# Altium PCB ROKET_SİGMA.PcbDoc (part 1 of 2) (continued)
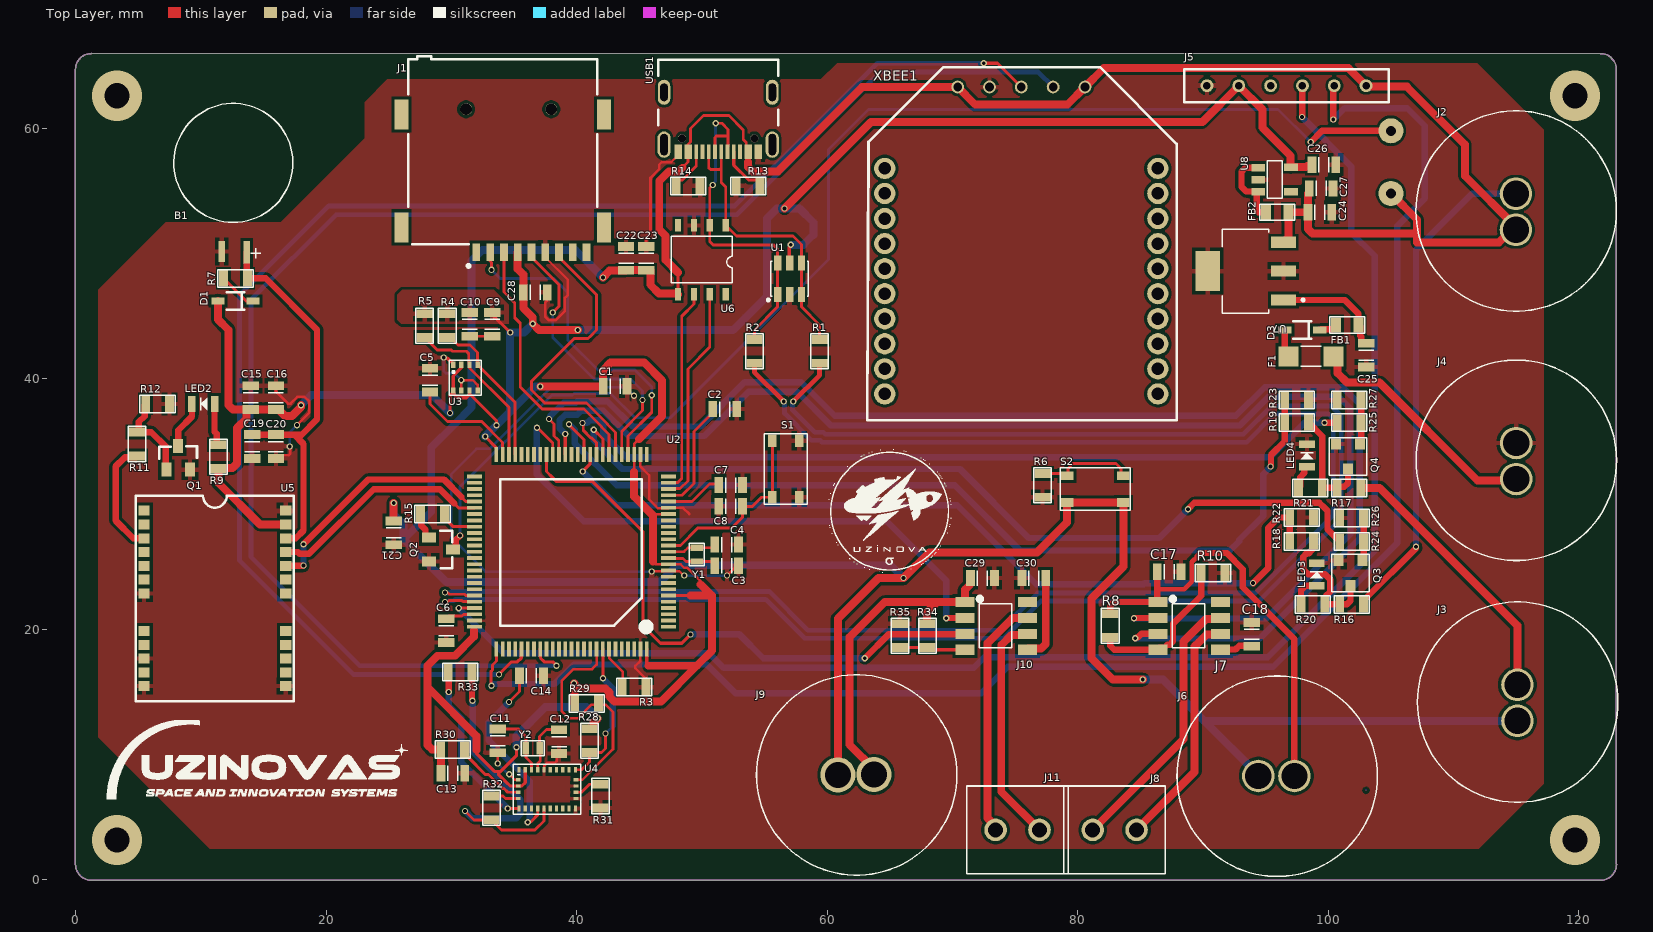
[diagram p0: Top Layer view]
## Part data (continued)
F1: library part FUSE, "Fuse Chip Fast Acting 1A 32V SMD Solder Pad 1206 Glass T/R VDE/cULus", Case Code (Metric)=3216, Case Code (Imperial)=1206, Current Rating=1A, DC Cold Resistance=94.2mR, Manufacturer=Schurter, Manufacturer Part Number=3413.0216.22, Max Operating Temperature=90°C, Max Voltage Rating (AC)=32V, Max Voltage Rating (DC)=63V, Min Operating Temperature=-55°C, Package Quantity=1000, Supplier Part Number 1=486-1144-1-ND, Approvals=VDE,cURus, Body Material=Glass,Epoxy, Case/Package=1206, Category=Fuses, ComponentLink1Description=https://datasheet.ciiva.com/301/typ-usi-1206-301440.pdf?src-supplier=Digi-Key, ComponentLink1URL=https://datasheet.ciiva.com/301/typ-usi-1206-301440.pdf?src-supplier=Digi-Key, ComponentLink2Description=https://datasheet.ciiva.com/14541/70160006-14541114.pdf?src-supplier=Allied+Electronics, ComponentLink2URL=https://datasheet.ciiva.com/14541/70160006-14541114.pdf?src-supplier=Allied+Electronics, ComponentLink3Description=https://datasheet.ciiva.com/301/typ-usi-1206-301439.pdf?src-supplier=Digi-Key, ComponentLink3URL=https://datasheet.ciiva.com/301/typ-usi-1206-301439.pdf?src-supplier=Digi-Key, ComponentLink4Description=https://datasheet.ciiva.com/301/typ-usi-1206-301441.pdf?src-supplier=Digi-Key, ComponentLink4URL=https://datasheet.ciiva.com/301/typ-usi-1206-301441.pdf?src-supplier=Digi-Key, ComponentLink5Description=https://datasheet.ciiva.com/8264/typ-usi-1206-8264583.pdf?src-supplier=Avnet, ComponentLink5URL=https://datasheet.ciiva.com/8264/typ-usi-1206-8264583.pdf?src-supplier=Avnet, ComponentLink6Description=https://datasheet.ciiva.com/14102/qousi1206-data-e-14102903.pdf?src-supplier=Distrelec, ComponentLink6URL=https://datasheet.ciiva.com/14102/qousi1206-data-e-14102903.pdf?src-supplier=Distrelec, ComponentLink7Description=https://datasheet.ciiva.com/16316/typ-usi-1206-16316588.pdf?src-supplier=Future+Electronics, ComponentLink7URL=https://datasheet.ciiva.com/16316/typ-usi-1206-16316588.pdf?src-supplier=Future+Electronics, Contact Plating=Gold, Depth=1.6mm, Fuse Type="Board Mount (Cartridge Style Excluded)", Height=0.6mm, Housing Material=Glass, Lead Free="Lead Free", Length=3.2mm, Mount="Surface Mount,PCB", Number of Pins=2, Packaging="Tape and Reel", Pricing 1="1=0,67000, 50=0,52400, 100=0,39700, 500=0,32624 (USD)", Radiation Hardening=No, RoHS=Yes, RoHS Compliant=Yes, Series="USI 1206", Stock 1=6832, Supplier 1=Digi-Key, Terminal Material=Tin, Termination=SMD/SMT, Voltage Rating=32V, Voltage Rating (AC)=32V, Voltage Rating (DC)=63V, Weight=0.000212oz, Width=1.6mm, Working Voltage=32V
FB1 FB2: library part "FERRITE BEAD", "0805 600Ω ±25% DCR=0.1Ω 2A", Case Code (Metric)=2012, Case Code (Imperial)=0805, Current Rating=2A, DC Resistance (DCR)=100mR, Manufacturer=TDK, Max Operating Temperature=125°C, Min Operating Temperature=-55°C, Package Quantity=1, Supplier Part Number 1=445-MPZ2012S601AT000CT-ND, Case/Package=0805, Category="Ferrite Beads and Chips", ComponentLink1Description=https://datasheet.ciiva.com/46634/beads-commercial-power-mpz-en-46634335.pdf?src-supplier=Digi-Key, ComponentLink1URL=https://datasheet.ciiva.com/46634/beads-commercial-power-mpz-en-46634335.pdf?src-supplier=Digi-Key, ComponentLink2Description=https://datasheet.ciiva.com/46634/beads-commercial-power-mpz-en-46634377.pdf?src-supplier=Digi-Key, ComponentLink2URL=https://datasheet.ciiva.com/46634/beads-commercial-power-mpz-en-46634377.pdf?src-supplier=Digi-Key, ComponentLink3Description=https://datasheet.ciiva.com/46634/beads-commercial-power-mpz-en-46634606.pdf?src-supplier=Digi-Key, ComponentLink3URL=https://datasheet.ciiva.com/46634/beads-commercial-power-mpz-en-46634606.pdf?src-supplier=Digi-Key, Height=0.041inch, Lead Free="Lead Free", Length=0.079inch, Manufacturer Part Number=MPZ2012S601AT000, Max Current Rating=2A, Max DC Current=2A, Mount="Surface Mount", Number of Lines=1, Packaging="Tape and Reel", Pricing 1="1=0,11000, 10=0,09200, 25=0,08320, 50=0,06100, 100=0,05270, 250=0,04160, 500=0,03512, 1000=0,02957 (USD)", Reach SVHC Compliant=Yes, RoHS=Yes, RoHS Compliant=Yes, Series=MPZ, Stock 1=1942, Supplier 1=Digi-Key, Width=0.049inch, Impedance=600R
J1: library part "SD CARD", "MEM2075 Series Normally Open SMT Push-Push MicroSD Memory Card Connector", Manufacturer="Global Connector Technology", Supplier Part Number 1=2895610, Category=Connectors, ComponentLink1Description=https://gct.co/files/drawings/mem2075.pdf?src-supplier=Digi-Key, ComponentLink1URL=https://gct.co/files/drawings/mem2075.pdf?src-supplier=Digi-Key, Manufacturer Part Number=MEM2075-00-140-01-A, Pricing 1="1=1,64000, 25=1,55000, 75=1,48000, 200=1,34000, 500=1,24000 (EUR)", RoHS=No, Stock 1=1317, Supplier 1=Farnell
J7 J10: library part Driver, "ZXBM5210 Series 18 V 1.5 A Reversible DC Motor Drive with Speed Control-SOIC-8EP", Manufacturer=Diodes, Max Operating Temperature=125°C, Min Operating Temperature=-40°C, Operating Supply Voltage=18V, Package Quantity=2500, Supplier Part Number 1=ZXBM5210-SP-13DICT-ND, Category="Motor Drivers", ComponentLink1Description=https://datasheet.ciiva.com/29599/zxbm5210-29599456.pdf?src-supplier=Digi-Key, ComponentLink1URL=https://datasheet.ciiva.com/29599/zxbm5210-29599456.pdf?src-supplier=Digi-Key, ComponentLink2Description=https://datasheet.ciiva.com/29599/zxbm5210-29599455.pdf?src-supplier=Digi-Key, ComponentLink2URL=https://datasheet.ciiva.com/29599/zxbm5210-29599455.pdf?src-supplier=Digi-Key, ComponentLink3Description=https://datasheet.ciiva.com/30043/zxbm5210-30043882.pdf?src-supplier=Avnet, ComponentLink3URL=https://datasheet.ciiva.com/30043/zxbm5210-30043882.pdf?src-supplier=Avnet, Lead Free="Lead Free", Logic Function="AND GATE", Manufacturer Part Number=ZXBM5210-SP-13, Mount="Surface Mount", Packaging="Cut Tape", Pricing 1="1=1,21000, 10=1,08000, 25=1,02560, 100=0,84230, 250=0,78740, 500=0,69584, 1000=0,54934 (USD)", RoHS=Yes, Stock 1=172511, Supplier 1=Digi-Key, Interface=PWM
J8 J11: "Conn Screw Type Terminal Block 2 POS 3.5mm Solder ST Thru-Hole 10A", Color=Black, Current=10A, Manufacturer="On-Shore Technology", Manufacturer Part Number=OSTTE020104, Max Operating Temperature=105°C, Min Operating Temperature=-30°C, Supplier Part Number 1=ED2740-ND, Voltage=125V, Category="Terminal Blocks", ComponentLink1Description=http://www.on-shore.com/wp-content/uploads/2015/09/osttexx0164.pdf?src-supplier=Digi-Key, ComponentLink1URL=http://www.on-shore.com/wp-content/uploads/2015/09/osttexx0164.pdf?src-supplier=Digi-Key, ComponentLink2Description=http://www.on-shore.com/wp-content/uploads/2015/09/osttexx0164.pdf?src-supplier=Verical, ComponentLink2URL=http://www.on-shore.com/wp-content/uploads/2015/09/osttexx0164.pdf?src-supplier=Verical, ComponentLink3Description=http://www.on-shore.com/wp-content/uploads/2015/09/osttexx0164.pdf?src-supplier=Arrow+Electronics, ComponentLink3URL=http://www.on-shore.com/wp-content/uploads/2015/09/osttexx0164.pdf?src-supplier=Arrow+Electronics, Contact Plating=Tin, Housing Material=Thermoplastic, Mount="Through Hole", Number of Levels=1, Number of Pins=2, Number of Positions Per Level=2, Packaging=Bulk, Pitch=0.138inch, Plating=Steel, Pricing 1="1=0,74000, 10=0,40200, 25=0,30040, 50=0,26780, 100=0,26260, 250=0,23108, 500=0,21008, 1000=0,18907, 5000=0,14180 (USD)", RoHS=Yes, Stock 1=73362, Supplier 1=Digi-Key, Termination=Screw, Wire Gauge (Max)=26AWG, Wire Gauge (Min)=16AWG
LED2 LED3 LED4: library part "LED RED", "LED Uni-Color Red 640nm 2-Pin SMT T/R", Case Code (Metric)=2012, Case Code (Imperial)=0805, Color=Red, Forward Current=20mA, Forward Voltage=2V, Manufacturer="VCC CHML", Max Operating Temperature=85°C, Min Operating Temperature=-40°C, Package Quantity=1, Power Rating=100mW, Reverse Voltage=5V, Supplier Part Number 1=L62501CT-ND, Case/Package=0805, Category=LEDs, ComponentLink1Description=http://www.mouser.com/ds/2/423/CMD1721ver1-1064576.pdf?src-supplier=Mouser, ComponentLink1URL=http://www.mouser.com/ds/2/423/CMD1721ver1-1064576.pdf?src-supplier=Mouser, ComponentLink2Description=https://www.alliedelec.com/m/d/ea8f758becbd32522d2612194452bcae.pdf?src-supplier=Allied+Electronics, ComponentLink2URL=https://www.alliedelec.com/m/d/ea8f758becbd32522d2612194452bcae.pdf?src-supplier=Allied+Electronics, ComponentLink3Description=http://www.onlinecomponents.com/productFiles/mf-CM/2cmd17-21seriessmtleds0805packagesize.pdf?src-supplier=Onlinecomponents.com, ComponentLink3URL=http://www.onlinecomponents.com/productFiles/mf-CM/2cmd17-21seriessmtleds0805packagesize.pdf?src-supplier=Onlinecomponents.com, ComponentLink4Description=https://vcclite.com/wp-content/uploads/wpallimport/files/files/CMD1721Seriesver3.pdf?src-supplier=Digi-Key, ComponentLink4URL=https://vcclite.com/wp-content/uploads/wpallimport/files/files/CMD1721Seriesver3.pdf?src-supplier=Digi-Key, Height=1.1mm, Lead Free="Lead Free", Length=2mm, Lens Color=Red, Lens Style=Diffused,Tinted,Rectangular,Colored, Luminous Intensity=6mcd, Manufacturer Part Number=CMD17-21VRD/TR8, Mount="Surface Mount", Number of LEDs=1, Number of Pins=2, Packaging="Tape and Reel", Pricing 1="1=0,73000, 10=0,47800, 100=0,31310, 1000=0,24720 (USD)", Reverse Voltage (DC)=5V, RoHS=Yes, RoHS Compliant=Yes, Stock 1=357228, Supplier 1=Digi-Key, Test Current=20mA, Viewing Angle=140°, Wavelength=640nm, Width=1.25mm, Illumination Color=Red
Q1 Q2: library part BJT_NPN, "NPN Ic=200mA Vceo=40V hfe=100~300 fT=310MHz P=300mW SOT-23", Case/Package=SOT-23, Collector Base Voltage (VCBO)=60V, Collector Emitter Breakdown Voltage=40V, Collector Emitter Saturation Voltage=300mV, Continuous Collector Current=200mA, Emitter Base Voltage (VEBO)=6V, Frequency=300MHz, Manufacturer="Diodes Zetex", Max Operating Temperature=150°C, Max Power Dissipation=300mW, Min Operating Temperature=-55°C, Package Quantity=3000, Power Dissipation=350mW, Supplier Part Number 1=MMBT3904-FDICT-ND, Category=BJTs, Collector Emitter Voltage (VCEO)=40V, Collector-emitter Voltage-Max=300mV, ComponentLink1Description=https://datasheet.ciiva.com/11201/ds30036-11201778.pdf?src-supplier=Avnet, ComponentLink1URL=https://datasheet.ciiva.com/11201/ds30036-11201778.pdf?src-supplier=Avnet, ComponentLink2Description=https://datasheet.ciiva.com/15138/getdatasheetpartid-53265-15138780.pdf?src-supplier=Verical, ComponentLink2URL=https://datasheet.ciiva.com/15138/getdatasheetpartid-53265-15138780.pdf?src-supplier=Verical, ComponentLink3Description=https://datasheet.ciiva.com/22711/1915516-22711750.pdf?src-supplier=Element14, ComponentLink3URL=https://datasheet.ciiva.com/22711/1915516-22711750.pdf?src-supplier=Element14, ComponentLink4Description=https://datasheet.ciiva.com/11198/ds30036-11198999.pdf?src-supplier=Avnet, ComponentLink4URL=https://datasheet.ciiva.com/11198/ds30036-11198999.pdf?src-supplier=Avnet, ComponentLink5Description=https://datasheet.ciiva.com/6361/ds30036-6361256.pdf?src-supplier=Digi-Key, ComponentLink5URL=https://datasheet.ciiva.com/6361/ds30036-6361256.pdf?src-supplier=Digi-Key, ComponentLink6Description=https://datasheet.ciiva.com/6361/ds30036-6361254.pdf?src-supplier=Digi-Key, ComponentLink6URL=https://datasheet.ciiva.com/6361/ds30036-6361254.pdf?src-supplier=Digi-Key, Contact Plating=Tin,Matte, Element Configuration=Single, Gain Bandwidth Product=300MHz, Height=1mm, hFE Min=100, Lead Free="Lead Free", Length=3.05mm, Manufacturer Part Number=MMBT3904-7-F, Max Breakdown Voltage=40V, Max Collector Current=200mA, Max Frequency=300MHz, Mount="Surface Mount", Number of Elements=1, Number of Pins=3, Packaging="Tape and Reel", Polarity=NPN, Pricing 1="1=0,13000, 10=0,11700, 100=0,06370, 500=0,03918, 1000=0,02671 (USD)", Radiation Hardening=No, Reach SVHC Compliant=Yes, RoHS=Yes, RoHS Compliant=Yes, Series="Automotive, AEC-Q101", Stock 1=7729144, Supplier 1=Digi-Key, Transition Frequency=300MHz, Voltage Rating (DC)=40V, Weight=0.000282oz, Width=1.4mm
Q3 Q4: library part "MOSFET N-Channel", "MOSFET N-CH 60V 0.26A SOT23", Case/Package=SOT-23-3, Continuous Drain Current (ID)=310mA, Drain to Source Breakdown Voltage=60V, Drain to Source Resistance=1R, Gate to Source Voltage (Vgs)=30V, Manufacturer="ON Semiconductor", Max Operating Temperature=150°C, Max Power Dissipation=300mW, Min Operating Temperature=-55°C, Package Quantity=3000, Supplier Part Number 1=NTR5103NT1GOSCT-ND, Input Capacitance=40pF, Category=MOSFETs, ComponentLink1Description=http://www.farnell.com/datasheets/2237046.pdf?src-supplier=Farnell, ComponentLink1URL=http://www.farnell.com/datasheets/2237046.pdf?src-supplier=Farnell, ComponentLink2Description=http://www.mouser.com/ds/2/308/NTR5103N-D-600006.pdf?src-supplier=Mouser, ComponentLink2URL=http://www.mouser.com/ds/2/308/NTR5103N-D-600006.pdf?src-supplier=Mouser, ComponentLink3Description=http://www.farnell.com/datasheets/2237046.pdf?src-supplier=Newark, ComponentLink3URL=http://www.farnell.com/datasheets/2237046.pdf?src-supplier=Newark, ComponentLink4Description=http://www.farnell.com/datasheets/2237046.pdf?src-supplier=Element14, ComponentLink4URL=http://www.farnell.com/datasheets/2237046.pdf?src-supplier=Element14, ComponentLink5Description=http://www.onsemi.com/pub/Collateral/NTR5103N-D.PDF?src-supplier=Avnet, ComponentLink5URL=http://www.onsemi.com/pub/Collateral/NTR5103N-D.PDF?src-supplier=Avnet, ComponentLink6Description=http://www.onsemi.com/pub/Collateral/NTR5103N-D.PDF?src-supplier=Digi-Key, ComponentLink6URL=http://www.onsemi.com/pub/Collateral/NTR5103N-D.PDF?src-supplier=Digi-Key, Contact Plating=Tin, Drain to Source Voltage (Vdss)=60V, Fall Time=3.6ns, FET Type="1 N-Channel", Lead Free="Lead Free", Manufacturer Part Number=NTR5103NT1G, Mount="Surface Mount", Number of Channels=1, Number of Pins=3, Packaging="Tape and Reel", Pricing 1="1=0,25000, 10=0,20100, 100=0,10660, 500=0,07012, 1000=0,04768 (USD)", Rds On Max=2.5R, Rise Time=1.2ns, RoHS=Yes, RoHS Compliant=Yes, Stock 1=55356, Supplier 1=Digi-Key, Turn-Off Delay Time=4.8ns, Turn-On Delay Time=1.7ns
S1 S2: library part BUTTON, "Switch Tactile N.O. SPST Button J-Bend 0.05A 12VDC 3.92N SMD T/R", Manufacturer="ITT C&K", Manufacturer Part Number=PTS815SJG250SMTRLFS, Supplier Part Number 1=CKN12217-1-ND, Category="Tactile Switches", Pricing 1="1=0,22000, 10=0,21400, 25=0,20280, 100=0,18360, 250=0,16736, 500=0,15558, 1000=0,13271 (USD)", RoHS=Yes, Stock 1=47215, Supplier 1=Digi-Key
U1: library part "USB PROTECTION", "TVS DIODE 5.25VWM 17VC SOT23-6", Breakdown Voltage=6V, Capacitance=3.5pF, Case/Package=SOT-23, Clamping Voltage=17V, Leakage Current=150nA, Manufacturer=STMicroelectronics, Max Operating Temperature=125°C, Min Operating Temperature=-40°C, Operating Supply Voltage=1.1V, Package Quantity=3000, Peak Pulse Current=5A, Power Line Protection=Yes, Reverse Standoff Voltage=5.25V, Supplier Part Number 1=497-5235-1-ND, Test Current=1mA, Working Voltage=5V, Category="TVS Diodes", Clamping Voltage-Max=17V, ComponentLink1Description=https://datasheet.ciiva.com/1268/1690354-1268384.pdf?src-supplier=Element14, ComponentLink1URL=https://datasheet.ciiva.com/1268/1690354-1268384.pdf?src-supplier=Element14, ComponentLink2Description=https://datasheet.ciiva.com/4508/cd00050750-113117-4508433.pdf?src-supplier=Mouser, ComponentLink2URL=https://datasheet.ciiva.com/4508/cd00050750-113117-4508433.pdf?src-supplier=Mouser, ComponentLink3Description=https://datasheet.ciiva.com/15143/getdatasheetpartid-148465-15143789.pdf?src-supplier=Verical, ComponentLink3URL=https://datasheet.ciiva.com/15143/getdatasheetpartid-148465-15143789.pdf?src-supplier=Verical, ComponentLink4Description=https://datasheet.ciiva.com/16200/cd00050750-16200026.pdf?src-supplier=Future+Electronics, ComponentLink4URL=https://datasheet.ciiva.com/16200/cd00050750-16200026.pdf?src-supplier=Future+Electronics, ComponentLink5Description=https://datasheet.ciiva.com/41444/001184109-da-01-en-ic-esd-protecti-usblc6-2sc6-sot-23-6-stm-41444156.pdf?src-supplier=Conrad, ComponentLink5URL=https://datasheet.ciiva.com/41444/001184109-da-01-en-ic-esd-protecti-usblc6-2sc6-sot-23-6-stm-41444156.pdf?src-supplier=Conrad, Contact Plating=Tin,Matte, Data Rate=480Mbps, Depth=1.75mm, Direction=Unidirectional,Bidirectional, Element Configuration=Dual, ESD Protection=Yes, Height=1.3mm, Lead Free="Lead Free", Length=3.05mm, Manufacturer Part Number=USBLC6-2SC6, Max Breakdown Voltage=6V, Max Reverse Leakage Current=150nA, Min Breakdown Voltage=6V, Mount="Surface Mount", Number of Bidirectional Channels=2, Number of Channels=2, Number of Elements=1, Number of Pins=6, Packaging="Tape and Reel", Polarity=Unidirectional,Bidirectional, Pricing 1="1=0,61000, 10=0,52200, 100=0,38970, 500=0,30620, 1000=0,23660 (USD)", Radiation Hardening=No, Reach SVHC Compliant=Yes, Reverse Breakdown Voltage=6V, RoHS=Yes, RoHS Compliant=Yes, Series=USB, Stock 1=127716, Supplier 1=Digi-Key, Termination=SMD/SMT, Width=1.75mm
U2: "IC MCU 32BIT 1MB FLASH 100LQFP", Case/Package=LQFP, Frequency=168MHz, Manufacturer=STMicroelectronics, Max Operating Temperature=85°C, Max Supply Voltage=3.6V, Min Operating Temperature=-40°C, Min Supply Voltage=1.8V, Package Quantity=90, Supplier Part Number 1=497-11605-ND, Address Bus Width=32b, Category=Microcontrollers, ComponentLink1Description=https://datasheet.ciiva.com/14132/stm32f407vgt6-tds-eng-14132567.pdf?src-supplier=Distrelec, ComponentLink1URL=https://datasheet.ciiva.com/14132/stm32f407vgt6-tds-eng-14132567.pdf?src-supplier=Distrelec, ComponentLink2Description=https://datasheet.ciiva.com/4842/dm00037051-492832-4842280.pdf?src-supplier=Mouser, ComponentLink2URL=https://datasheet.ciiva.com/4842/dm00037051-492832-4842280.pdf?src-supplier=Mouser, ComponentLink3Description=https://datasheet.ciiva.com/48687/001075599-da-01-en-mcu-32bt-1mb-stm32f407vgt6-lqfp-100-stm-48687547.pdf?src-supplier=Conrad, ComponentLink3URL=https://datasheet.ciiva.com/48687/001075599-da-01-en-mcu-32bt-1mb-stm32f407vgt6-lqfp-100-stm-48687547.pdf?src-supplier=Conrad, Core Architecture=ARM, Data Bus Width=32b, Height=1.45mm, Lead Free="Lead Free", Length=14.2mm, Manufacturer Part Number=STM32F407VGT6, Max Frequency=168MHz, Memory Size=1024KB, Memory Type=FLASH, Number of ADC Channels=16, Number of Ethernet Channels=1, Number of Pins=100, Number of Programmable I/O=82, Number of PWM Channels=2, Number of SPI Channels=3, Number of Timers/Counters=14, Number of UART Channels=2, Number of I2C Channels=3, Number of I/Os=82, Oscillator Type=Internal, Packaging=Tray, Peripherals="Brown-out Detect/Reset,POR,PWM,WDT,DMA,LCD,I2C", Pricing 1="1=16,52000, 10=15,18400, 25=14,55440, 90=12,82367, 270=12,19433, 450=11,40760 (USD)", Radiation Hardening=No, RAM Size=196KB, Reach SVHC Compliant=Yes, RoHS=Yes, RoHS Compliant=Yes, Series="STM32 F4", Supplier 1=Digi-Key, Watchdog Timer=Yes, Width=14.2mm, Interface=I2C,SPI,USB,CAN,Ethernet,IrDA,UART,USART,LIN,EBI/EMI,I2S
U3: "Pressure, Temperature and Humidity Sensor Digital Output 1.8V 8-Pin LGA T/R", Manufacturer="Bosch Tools", Supplier Part Number 1=828-1063-1-ND, Category="Pressure Sensors", Manufacturer Part Number=BME280, Pricing 1="1=7,64000, 5=6,74200, 10=5,95500, 25=4,83160, 50=4,26960, 100=4,15730, 500=3,48316, 1000=3,25844 (USD)", RoHS=No, Stock 1=180730, Supplier 1=Digi-Key
U4: "BNO055 Series 1.7 to 3.6 V Intelligent 9-Axis Absolute Orientation Sensor-LGA-28", Case/Package=LGA, Manufacturer=Bosch, Max Operating Temperature=85°C, Min Operating Temperature=-40°C, Supplier Part Number 1=8159159, Category="Inertial Measurement Units (IMUs)", ComponentLink1Description="https://ae-bst.resource.bosch.com/media/_tech/media/application_notes/BST-BNO055-HS000.pdf ?src-supplier=Digi-Key", ComponentLink1URL="https://ae-bst.resource.bosch.com/media/_tech/media/application_notes/BST-BNO055-HS000.pdf ?src-supplier=Digi-Key", Lead Free="Lead Free", Manufacturer Part Number=BNO055, Mount="Surface Mount", Output Type=I2C, Packaging="Tape and Reel", Pricing 1="4000=7,70000 (USD)", RoHS=No, Sensor Type="Accelerometer,Gyroscope,Magnetometer,3 Axis", Supplier 1="Future Electronics"
U5: library part NEO-M8, "Rf Rcvr Gnss/gps 1.575GHZ 24LCC", Case/Package=SMD/SMT, Current - Receiving=21mA, Frequency=1.575GHz, Manufacturer=u-blox, Max Operating Temperature=85°C, Min Operating Temperature=-40°C, Supplier Part Number 1=672-NEO-M8M-0CT-ND, Category="RF Receivers, Transceivers", ComponentLink1Description=https://www.u-blox.com/sites/default/files/products/documents/NEO-M8-FW3_ProductSummary_%28UBX-16000345%29.pdf?src-supplier=Digi-Key, ComponentLink1URL=https://www.u-blox.com/sites/default/files/products/documents/NEO-M8-FW3_ProductSummary_%28UBX-16000345%29.pdf?src-supplier=Digi-Key, ComponentLink2Description=https://www.u-blox.com/sites/default/files/NEO-M8-FW3_DataSheet_%28UBX-15031086%29.pdf?src-supplier=Digi-Key, ComponentLink2URL=https://www.u-blox.com/sites/default/files/NEO-M8-FW3_DataSheet_%28UBX-15031086%29.pdf?src-supplier=Digi-Key, Manufacturer Part Number=NEO-M8M-0, Packaging="Tape and Reel", Pricing 1="1=27,00000, 10=19,61000, 50=16,10000, 100=12,89000 (USD)", RoHS=Yes, Sensitivity=-167dBm, Stock 1=3000, Supplier 1=Digi-Key, Interface=I2C,SPI,USB,UART
U6: "USB TO UART TTL CONVERTER - SOP 8 PACKAGE"
U8: "LDO Regulator, 450 mA, Ultra-High PSRR, Ultra-Low Noise 3.3V, SOT23-5L, Active Discharge", Current - Output=450mA, Manufacturer="ON Semiconductor", Supplier Device Package=SOT-23-5, Supplier Part Number 1=NCP161ASN330T1GOSCT-ND, Voltage - Output (Min/Fixed)=3.3V, Voltage - Input (Max)=5.5V, Category="Voltage Regulators - Linear", ComponentLink1Description=http://www.farnell.com/datasheets/2815754.pdf?src-supplier=Farnell, ComponentLink1URL=http://www.farnell.com/datasheets/2815754.pdf?src-supplier=Farnell, Manufacturer Part Number=NCP161ASN330T1G, Pricing 1="1=0,67000, 10=0,58900, 25=0,55320, 100=0,45160, 250=0,41948, 500=0,35700, 1000=0,28561 (USD)", RoHS=Yes, RoHS Compliant=Yes, Stock 1=4959, Supplier 1=Digi-Key
USB1: library part "TYPE C USB CONNECTOR", "USB Connector with 1.90mm shell stake length", Manufacturer="Global Connector Technology", Manufacturer Part Number=USB4125-GF-A-0190, Supplier Part Number 1=3777666, Category="USB Connectors", Pricing 1="1000=0,40500, 5000=0,39700, 10000=0,38900, 20000=0,38100 (EUR)", RoHS=No, Stock 1=2000, Supplier 1=Farnell
XBEE1: library part XBEE3, "Zigbee Module, 2.4 Ghz, Sma Ant, Th Mt Rohs Compliant: Yes", Case/Package=Module, Current - Receiving=15mA, Current - Transmitting=40mA, Frequency=2.4GHz, Manufacturer="Digi International", Max Operating Temperature=85°C, Min Operating Temperature=-40°C, Supplier Part Number 1=602-2186-ND, Category="RF Receivers, Transceivers", ComponentLink1Description=https://www.digi.com/pdf/ds_xbee-3-zigbee-3.pdf?src-supplier=Digi-Key, ComponentLink1URL=https://www.digi.com/pdf/ds_xbee-3-zigbee-3.pdf?src-supplier=Digi-Key, Data Rate=250Kbps, Manufacturer Part Number=XB3-24Z8ST-J, Memory Size=128KB, Mount="Through Hole", Packaging=Tray, Pricing 1="1=26,38000 (USD)", RoHS=Yes, Sensitivity=-103dBm, Supplier 1=Digi-Key, Interface=I2C,SPI,UART
Y1 Y2: library part CRYSTAL, "Crystal 0.032768MHz ±20ppm (Tol) 12.5pF Flexural 90000Ohm 2-Pin CSMD T/R", Case/Package=CSMD, ESR (Equivalent Series Resistance)=90kR, Frequency=32.768kHz, Frequency Tolerance=20ppm, Load Capacitance=12.5pF, Manufacturer=Abracon, Manufacturer Part Number=ABS05-32.768KHZ-T, Max Operating Temperature=85°C, Min Operating Temperature=-40°C, Operating Frequency="32.768 kHz", Package Quantity=3000, Supplier Part Number 1=535-11899-1-ND, Category=Crystals, ComponentLink1Description=https://datasheet.ciiva.com/23810/abs05-23810480.pdf?src-supplier=Newark, ComponentLink1URL=https://datasheet.ciiva.com/23810/abs05-23810480.pdf?src-supplier=Newark, ComponentLink2Description=https://datasheet.ciiva.com/6728/abs05-6728949.pdf?src-supplier=Digi-Key, ComponentLink2URL=https://datasheet.ciiva.com/6728/abs05-6728949.pdf?src-supplier=Digi-Key, ComponentLink3Description=https://datasheet.ciiva.com/6728/abs05-6728950.pdf?src-supplier=Digi-Key, ComponentLink3URL=https://datasheet.ciiva.com/6728/abs05-6728950.pdf?src-supplier=Digi-Key, ComponentLink4Description=https://datasheet.ciiva.com/16411/abs05-16411149.pdf?src-supplier=Future+Electronics, ComponentLink4URL=https://datasheet.ciiva.com/16411/abs05-16411149.pdf?src-supplier=Future+Electronics, Depth=1mm, Height=0.5mm, Lead Free="Lead Free", Length=1.6mm, Mount="Surface Mount", Number of Pins=2, Packaging="Tape and Reel", Pricing 1="1=0,66000, 10=0,58100, 50=0,54340, 100=0,48020, 500=0,45494, 1000=0,37911 (USD)", Radiation Hardening=No, Reach SVHC Compliant=Yes, RoHS=Yes, RoHS Compliant=Yes, Series=ABS05, Series Resistance=90kR, Stock 1=376220, Supplier 1=Digi-Key, Termination=SMD/SMT, Tolerance=20ppm, Width=1mm

## Via types
v1: diameter 0.5, hole 0.3, Top Layer to Bottom Layer, 73 vias
v2: diameter 4/0.6 (per signal layer), hole 2, Top Layer to Bottom Layer, 3 vias
v3: diameter 4, hole 2, Top Layer to Bottom Layer, 1 vias

## Nets (pads, with @x,y where several pads share a name; then routed paths per layer and width w, separated by ;. In a path a pad name is that pad's centre, name@x,y a point inside that pad or via, vN(x,y) a via of type N, cw(c..) or ccw(c..) an arc to the next point about the centre after c; other vN are vias at no path point)
+3V3: C1.1 C9.2 C10.2 C13.1 C15.2 C16.2 C26.2 C28.2 D1.2 J1.P4 J5.5 R4.2 R5.2 R9.2 R28.2 R29.1 R30.2 U1.5 U2.6 U2.11 U2.19 U2.28 U2.50 U2.75 U2.100 U3.2 U3.6 U3.8 U4.3 U4.28 U5.23 U8.5 | length 266.6
  Top Layer w0.203: 44.574,32.574 44.574,32.58 44.597,32.603 U2.28@44.597,33.954 44.6,33.957 44.6,34.8 44.979,35.179 ; 46.1,25.438 46.338,25.2 47.343,25.2 U2.11@47.347,25.204 48.296,25.204 48.594,24.906 48.851,24.906 49.9,23.856 49.9,23.6 ; 46.1,29.1 46.204,29.204 U2.19@47.347,29.204
  Top Layer w0.254: R30.2@29.15,10.025 R30.2@29.15,10.4 ; v1(29.9,37.274) 29.9,38.7 U3.8@30.102,38.902 ; U3.8@30.102,38.952 U3.8@30.148,38.998 ; U3.8@30.15,39.075 30.15,40.225 30.8,40.875 U3.2@30.8,41.125 ; U3.8@30.198,38.902 30.198,38.777 30.487,38.487 31.187,38.487 31.402,38.702 ; 31.45,38.825 33.6,36.675 v1(33.6,36.3) ; 32,10.383 32,10.108 33.439,8.669 33.961,8.669 35.196,9.904 v1(35.196,10.6) ; v1(32.7,35.4) 33.597,34.503 U2.50@33.597,33.954 ; C9.2@33.275,45.3 33.275,45.125 v1(34.7,43.7) ; 33.783,8.6 33.783,8.39 34.371,7.802 34.398,7.802 34.7,7.5 U4.3@35.35,7.5 35.629,7.5 35.9,7.771 U4.28@35.9,8.8 ; U2.100@45.597,18.444 45.597,17.242 45.739,17.1 ; U2.6@47.347,22.704 49.096,22.704 ; v1@56.975,50.509 56.975,49.28 U1.5@57,49.255 ; U8.5@97.025,56.9 U8.5@97.043,56.918 ; 98.325,57 C26.2@98.675,57
  Top Layer w0.635: D1.2@11.375,46.225 11.375,44.74 12.2,43.915 12.2,37.922 12.572,37.55 C15.2@13.68,37.55 ; U5.23@16.775,28.375 14.725,28.375 11.4,31.7 R9.2@11.4,32.85 11.432,32.882 12.528,32.882 12.9,33.254 12.9,36.086 13.667,36.854 13.667,37.518 13.7,37.55 C15.2@14,37.55 16.249,37.55 16.282,37.518 16.282,37.466 16.721,37.027 17.279,37.027 18,37.748 v1(18,37.9) ; 28.2,15.3 32,11.5 32,10.383 ; R30.2@29.15,10.4 28.472,10.4 28.1,10.772 28.1,15.3 28.1,17.1 28.9,17.9 30.286,17.9 31.8,19.414 31.8,19.9 ; C13.1@29.175,8.525 R30.2@29.175,10.025 ; J1.P4@35.3,50.1 35.3,48.777 35.75,48.327 C28.2@35.75,46.9 35.75,45.65 36.5,44.9 v1(36.5,44.4) 37,43.9 v1(40.1,43.9) ; v1(37.1,39.4) C1.1@42.125,39.4 42.125,40.725 42.7,41.3 45.4,41.3 46.821,39.879 46.821,37.021 44.979,35.179 ; v1(39.801,15.699) 39.816,15.684 39.816,15.131 ; R29.1@39.85,14.1 39.85,14.69 39.816,14.724 39.816,15.131 ; R28.2@41.025,12.075 41.325,12.075 41.357,12.107 41.357,12.576 v1(41.682,12.9) ; 44.574,32.574 44.574,30.626 46.1,29.1 46.1,25.438 ; 45.739,17.1 49.6,17.1 ; 49.096,22.704 50.796,22.704 49.9,23.6 ; 50.8,22.7 50.8,18.3 49.6,17.1 ; v1(56.6,53.6) 63.5,60.5 89.96,60.5 J5.5@92.86,63.4 94.75,61.51 94.75,60.05 97.002,57.798 97.002,56.918 97.019,56.9 U8.5@97.025,56.9 ; U8.5@97.043,56.918 98.243,56.918 98.325,57 ; 39.816,15.131 39.955,15.271 42.316,15.271 42.621,14.966 42.621,14.631 43.023,14.229 46.729,14.229 49.6,17.1
  Bottom Layer w0.635: v1(18,37.9) 18.8,38.7 28.474,38.7 v1(29.9,37.274) ; v1(32.7,35.4) v1(33.6,36.3) 34.7,37.4 ; v1(35.196,10.6) 35.196,11.496 37.5,13.8 39.8,13.8 ; v1(36.5,44.4) 35.8,43.7 v1(34.7,43.7) 34.7,37.4 ; v1(37.1,39.4) 36.7,39.4 34.7,37.4 ; v1(39.801,15.699) 39.801,13.801 39.8,13.8 ; v1(40.1,43.9) 52.5,43.9 53.5,44.9 54.224,45.624 55.2,46.6 55.2,52.8 56,53.6 57.8,53.6 58.9,52.5 58.9,51.5 58.1,50.7 v1(57.1,50.7) ; v1(41.682,12.9) 40.782,13.8 39.8,13.8